# KiCad board debug-toolkit.kicad_pcb
date: 2022-10-28; rev: 1.3.7
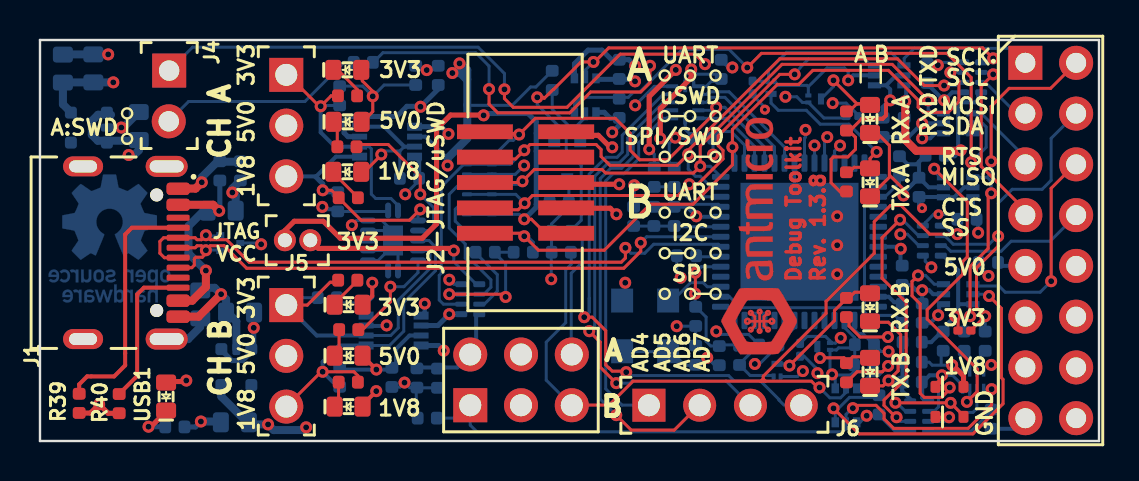
[diagram p0: board, top side]
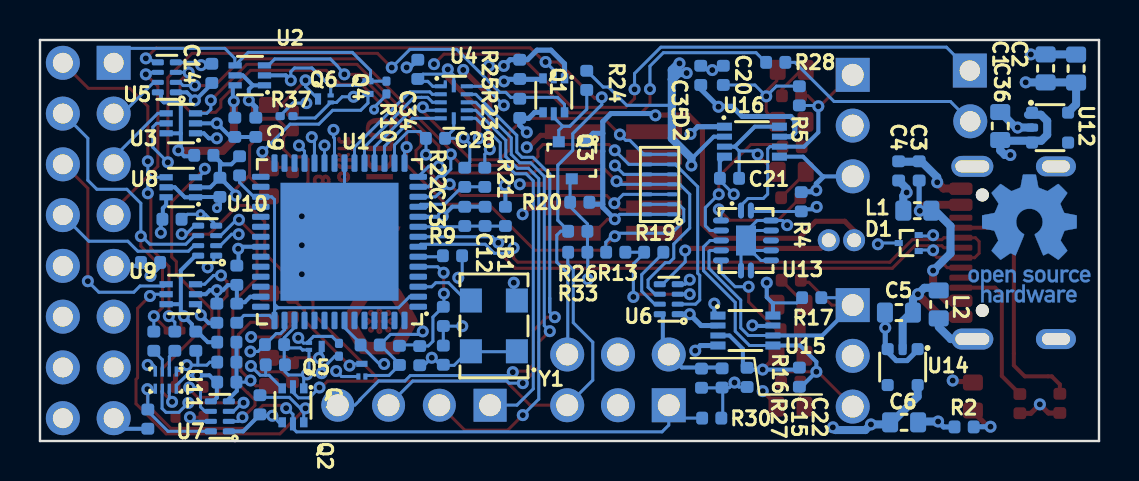
[diagram p1: board, bottom side, seen from below]

Outline 52.96 x 20.07 mm; copper layers: Top, In1.Cu, In2.Cu, Bottom. Coordinates in mm from the lower left corner of the outline.
Outline path: 0,20.07 52.96,20.07 52.96,0 0,0 0,20.07
Stack: Top 0.035mm / dielectric 0.48mm FR4 er 4.5 / In1.Cu 0.035mm / dielectric 0.48mm FR4 er 4.5 / In2.Cu 0.035mm / dielectric 0.48mm FR4 er 4.5 / Bottom 0.035mm

## Placement (name value [footprint] x y rotation side)
1V8_A1  LED_G_0603_LG_L29K-G2J1-24-Z  [LED_0603_1608Metric_G]  15.37 13.47 0 top
1V8_B1  LED_G_0603_LG_L29K-G2J1-24-Z  [LED_0603_1608Metric_G]  15.43 1.72 0 top
3V3_A1  LED_G_0603_LG_L29K-G2J1-24-Z  [LED_0603_1608Metric_G]  15.37 18.57 0 top
3V3_B1  LED_G_0603_LG_L29K-G2J1-24-Z  [LED_0603_1608Metric_G]  15.43 6.82 0 top
5V0_A1  LED_G_0603_LG_L29K-G2J1-24-Z  [LED_0603_1608Metric_G]  15.38 15.97 0 top
5V0_B1  LED_G_0603_LG_L29K-G2J1-24-Z  [LED_0603_1608Metric_G]  15.43 4.27 0 top
C1  C_1u_0603  [C_0603_1608Metric]  2.67 18.64 90 bottom
C2  C_1u_0603  [C_0603_1608Metric]  1.15 18.64 90 bottom
C3  C_10n_0402  [C_0402_1005Metric]  8.99 13.52 90 bottom
C4  C_100n_16V_X7R_0402  [C_0402_1005Metric]  10.02 13.52 90 bottom
C5  C_1u_0603  [C_0603_1608Metric]  10.01 6.43 180 bottom
C6  C_1u_0603  [C_0603_1608Metric]  9.75 0.94 180 bottom
C7  C_100n_16V_X7R_0402  [C_0402_1005Metric]  32.79 4.3 90 bottom
C8  C_100n_16V_X7R_0402  [C_0402_1005Metric]  43.62 2.95 180 bottom
C9  C_100n_16V_X7R_0402  [C_0402_1005Metric]  42.17 15.7 270 bottom
C10  C_100n_16V_X7R_0402  [C_0402_1005Metric]  44.77 14.3 180 bottom
C11  C_4u7_0402  [C_0402_1005Metric]  34.98 4.29 270 bottom
C12  C_100n_16V_X7R_0402  [C_0402_1005Metric]  30.7 11.24 270 bottom
C13  C_100n_16V_X7R_0402  [C_0402_1005Metric]  43.22 15.7 270 bottom
C14  C_100n_16V_X7R_0402  [C_0402_1005Metric]  44.37 18.4 90 bottom
C15  C_100n_16V_X7R_0402  [C_0402_1005Metric]  18.85 3.16 270 bottom
C16  C_100n_16V_X7R_0402  [C_0402_1005Metric]  36.45 4.81 180 bottom
C17  C_100n_16V_X7R_0402  [C_0402_1005Metric]  43.96 12.69 90 bottom
C18  C_100n_16V_X7R_0402  [C_0402_1005Metric]  44.12 6.4 90 bottom
C19  C_100n_16V_X7R_0402  [C_0402_1005Metric]  47.43 8.94 180 bottom
C20  C_100n_16V_X7R_0402  [C_0402_1005Metric]  18.79 18.3 90 bottom
C21  C_100n_16V_X7R_0402  [C_0402_1005Metric]  18.48 13.14 0 bottom
C22  C_100n_16V_X7R_0402  [C_0402_1005Metric]  17.6 3.19 270 bottom
C23  C_4u7_0402  [C_0402_1005Metric]  31.72 11.24 270 bottom
C24  C_100n_16V_X7R_0402  [C_0402_1005Metric]  41.23 4.83 180 bottom
C25  C_100n_16V_X7R_0402  [C_0402_1005Metric]  32.79 6.24 270 bottom
C26  C_100n_16V_X7R_0402  [C_0402_1005Metric]  43.12 8.3 270 bottom
C27  C_4u7_0402  [C_0402_1005Metric]  42.98 13.77 90 bottom
C28  C_100n_16V_X7R_0402  [C_0402_1005Metric]  33.18 15.15 180 bottom
C29  C_100n_16V_X7R_0402  [C_0402_1005Metric]  43.12 6.4 90 bottom
C30  C_100n_16V_X7R_0402  [C_0402_1005Metric]  46.36 11.1 180 bottom
C31  C_100n_16V_X7R_0402  [C_0402_1005Metric]  47.57 1.1 270 bottom
C32  C_100n_16V_X7R_0402  [C_0402_1005Metric]  43.62 4.95 180 bottom
C33  C_4u7_0402  [C_0402_1005Metric]  43.62 3.95 0 bottom
C34  C_100n_16V_X7R_0402  [C_0402_1005Metric]  34.07 18.6 90 bottom
C35  C_100n_16V_X7R_0402  [C_0402_1005Metric]  19.92 18.3 90 bottom
C36  C_1u_0603  [C_0603_1608Metric]  4.94 15.76 90 bottom
D1  TPD2E009_SOT-9X3  [SOT-723]  9.52 9.91 0 bottom
D2  TPD6E05U06RVZR  [USON-14_3.5X1.3X0.5mm_P0.5mm]  21.97 12.84 90 bottom
D3  BAT54-02V-G3-08  [SOD-523]  45.48 2.71 0 top
D4  BAT54-02V-G3-08  [SOD-523]  45.48 1.21 0 top
FB1  FB_600Z_0.3A_Murata-BLM15AG_0402  [FB_0402_1005Metric]  29.69 11.24 270 bottom
FB2  FB_600Z_0.3A_Murata-BLM15AG_0402  [FB_0402_1005Metric]  33.97 4.27 90 bottom
J1  USB-C_GCT_USB4105-GF-A  [USB-C_Receptacle_GCT_USB4105-GF-A]  3.41 9.42 270 top
J1_A1  -  [PinHeader_1x3_P2.54mm_Drill1.1mm]  12.32 18.32 270 top
J1_B1  -  [PinHeader_1x3_P2.54mm_Drill1.1mm]  12.32 6.8 270 top
J2  -  [PinHeader_2x5_P1.27mm_SMD_Shrouded]  24.26 12.94 90 top
J3  -  [PinHeader_2x8_P2.54mm_Drill1mm]  49.28 18.92 0 top
J4  -  [PinHeader_1x2_P2.54mm_Drill1.02mm]  6.46 18.54 270 top
J5  -  [PinHeader_1x2_P1.27mm_Drill0.7mm]  13.52 10.05 180 top
J6  -  [PinHeader_1x4_P2.54mm_Drill1.1mm]  30.45 1.79 0 top
J7  -  [PinHeader_2x3_P2.54mm_Drill1.1mm]  21.52 1.79 90 top
L1  FB_120Z_2A_Murata-BLM18PG_0603  [FB_0603_1608Metric]  9.09 11.53 180 bottom
L2  FB_120Z_2A_Murata-BLM18PG_0603  [FB_0603_1608Metric]  8.02 6.84 90 bottom
N1  antmicro_logo  [antmicro-logo_scaled_12mm]  35.99 10.22 90 top
N2  oshw_logo  [oshw-logo]  3.48 10.14 180 bottom
Q1  NX3008CBKV  [SOT-666]  27.27 17.3 270 bottom
Q2  NX3008CBKV  [SOT-666]  40.31 1.79 270 bottom
Q3  BC807-25W  [SOT-323]  26.37 14.05 270 bottom
Q4  SSM3K15ACT  [CST3-3]  36.56 17.69 270 bottom
Q5  SSM3K15ACT  [CST3-3]  39.19 4.74 180 bottom
Q6  SSM3K15ACT  [CST3-3]  38.74 17.12 0 bottom
Q7  SSM3K15ACT  [CST3-3]  36.86 3.55 90 bottom
R1  R_220R_0402  [R_0402_1005Metric]  15.38 17.27 180 top
R2  R_470R_0402  [R_0402_1005Metric]  6.75 0.71 180 bottom
R3  R_220R_0402  [R_0402_1005Metric]  15.42 12.17 180 top
R4  R_10k_0402  [R_0402_1005Metric]  14.89 11.97 270 bottom
R5  R_10k_0402  [R_0402_1005Metric]  14.99 17.27 90 bottom
R6  R_220R_0402  [R_0402_1005Metric]  15.35 14.72 0 top
R7  R_220R_0402  [R_0402_1005Metric]  15.39 8.05 180 top
R8  R_220R_0402  [R_0402_1005Metric]  15.42 2.95 0 top
R9  R_12k_0402  [R_0402_1005Metric]  32.33 9.27 180 bottom
R10  R_100k_0201  [R_0201]  35.63 17.69 270 bottom
R11  R_220R_0402  [R_0402_1005Metric]  40.33 12.97 270 top
R12  R_220R_0402  [R_0402_1005Metric]  40.33 16.02 270 top
R13  R_220R_0402  [R_0402_1005Metric]  24.17 9.45 180 bottom
R14  R_220R_0402  [R_0402_1005Metric]  40.33 3.42 270 top
R15  R_220R_0402  [R_0402_1005Metric]  40.33 6.68 270 top
R16  R_10k_0402  [R_0402_1005Metric]  14.99 3.2 90 bottom
R17  R_10k_0402  [R_0402_1005Metric]  14.37 7.17 0 bottom
R18  R_220R_0402  [R_0402_1005Metric]  15.44 5.57 0 top
R19  R_510R_0402  [R_0402_1005Metric]  22.27 9.45 0 bottom
R20  R_1k_0402  [R_0402_1005Metric]  25.97 11.95 180 bottom
R21  R_4k7_0402  [R_0402_1005Metric]  30.72 13.2 90 bottom
R22  R_10k_0402  [R_0402_1005Metric]  31.72 13.2 270 bottom
R23  R_56k_0402  [R_0402_1005Metric]  28.97 16.65 270 bottom
R24  R_1k_0402  [R_0402_1005Metric]  25.62 18.05 90 bottom
R25  R_10k_0402  [R_0402_1005Metric]  28.97 18.6 270 bottom
R26  R_10k_0402  [R_0402_1005Metric]  26.07 10.5 0 bottom
R27  R_10k_0402  [R_0402_1005Metric]  19.88 3.15 90 bottom
R28  R_510R_0402  [R_0402_1005Metric]  16.17 18.95 180 bottom
R29  R_56k_0402  [R_0402_1005Metric]  41.96 1.81 270 bottom
R30  R_10k_0402  [R_0402_1005Metric]  19.37 1.15 0 bottom
R31  R_100k_0201  [R_0201]  38.01 4.57 270 bottom
R32  R_10k_0402  [R_0402_1005Metric]  41.19 3.82 0 bottom
R33  R_10k_0402  [R_0402_1005Metric]  26.07 9.45 0 bottom
R34  R_220R_0402  [R_0402_1005Metric]  45.17 5 90 bottom
R35  R_220R_0402  [R_0402_1005Metric]  46.22 5 90 bottom
R36  R_220R_0402  [R_0402_1005Metric]  47.27 5 90 bottom
R37  R_100k_0201  [R_0201]  40.63 16.26 0 bottom
R38  R_100k_0201  [R_0201]  46.23 5.53 180 top
R39  R_5k1_0402  [R_0402_1005Metric]  1.96 1.89 270 top
R40  R_5k1_0402  [R_0402_1005Metric]  3.96 1.87 270 top
RX_A1  LED_G_0603_LG_L29K-G2J1-24-Z  [LED_0603_1608Metric_G]  41.51 16.12 90 top
RX_B1  LED_G_0603_LG_L29K-G2J1-24-Z  [LED_0603_1608Metric_G]  41.51 6.69 90 top
TX_A1  LED_G_0603_LG_L29K-G2J1-24-Z  [LED_0603_1608Metric_G]  41.51 12.94 90 top
TX_B1  LED_G_0603_LG_L29K-G2J1-24-Z  [LED_0603_1608Metric_G]  41.51 3.46 90 top
U1  FT4232H_VQFN  [QFN-56-1EP_8x8mm_P0.5mm]  37.98 9.97 0 bottom
U2  SN74LVC1T45_SOT-5X3  [SOT-553-6]  42.47 18.3 0 bottom
U3  SN74LVC1T45_SOT-5X3  [SOT-553-6]  45.92 15.9 0 bottom
U4  TXB0104_UQFN  [UQFN-12_2x1.7mm_P0.4mm_Texas_RUT]  32.27 16.95 180 bottom
U5  74LVC2T45_SOT833  [XSON-8_1x1.95mm_P0.5mm]  46.62 18.2 0 bottom
U6  74LVC2T45_SOT833  [XSON-8_1x1.95mm_P0.5mm]  21.52 7.1 0 bottom
U7  74LVC2T45_SOT833  [XSON-8_1x1.95mm_P0.5mm]  43.97 1.24 0 bottom
U8  SN74LVC1T45_SOT-5X3  [SOT-553-6]  45.92 12.7 0 bottom
U9  SN74LVC1T45_SOT-5X3  [SOT-553-6]  45.92 7.35 0 bottom
U10  74LVC2T45_SOT833  [XSON-8_1x1.95mm_P0.5mm]  44.6 10.03 0 bottom
U11  NTS0302JKZ  [X2SON8_1.4x1x0.32mm_P0.35mm]  46.67 3.05 270 bottom
U12  TLV70033_SC70  [SC-70-5]  2.45 15.67 270 bottom
U13  74HC00_DHVQFN  [DHVQFN-14-1EP_2.5x3mm]  17.65 10.03 180 bottom
U14  TLV70018_SC70  [SC-70-5]  9.83 3.71 0 bottom
U15  TS5A3359_VSSOP  [VSSOP-8_2.3x2mm_P0.5mm]  17.68 5.54 180 bottom
U16  TS5A3359_VSSOP  [VSSOP-8_2.3x2mm_P0.5mm]  17.36 14.99 180 bottom
USB1  LED_G_0603_LG_L29K-G2J1-24-Z  [LED_0603_1608Metric_G]  6.31 2.23 90 top
Y1  Oscillator_12MHz_ASFLMB  [Oscillator_SMD_Abracon_ASFLMB_5x3.2x0.85mm]  30.16 5.66 0 bottom

## Library data of the parts
1V8_A1 3V3_A1 3V3_B1 = -: Description: LED, Green, SMD, 0603, 20 mA, 1.7 V, 570 nm; Author: Antmicro; Color: Green; License: Apache-2.0; MPN: LG L29K-G2J1-24-Z; Manufacturer: OSRAM; Public: False; Field10: License: Apache-2.0; Field11: Author: Antmicro
1V8_B1 TX_A1 = -: Description: LED, Green, SMD, 0603, 20 mA, 1.7 V, 570 nm; Author: Antmicro; Color: Green; License: Apache-2.0; MPN: LG L29K-G2J1-24-Z; Manufacturer: OSRAM; Public: False; Field10: License: Apache-2.0; Field12: Author: Antmicro
5V0_A1 RX_B1 = -: Description: LED, Green, SMD, 0603, 20 mA, 1.7 V, 570 nm; Author: Antmicro; Color: Green; License: Apache-2.0; MPN: LG L29K-G2J1-24-Z; Manufacturer: OSRAM; Public: False; Field11: License: Apache-2.0; Field12: Author: Antmicro
5V0_B1 = -: Description: LED, Green, SMD, 0603, 20 mA, 1.7 V, 570 nm; Author: Antmicro; Color: Green; License: Apache-2.0; MPN: LG L29K-G2J1-24-Z; Manufacturer: OSRAM; Public: False; Field11: Author: Antmicro; Field12: License: Apache-2.0
C1 = -: Description: SMD Multilayer Ceramic Capacitor, 1 µF, 16 V, 0603 [1608 Metric], ± 10%, X5R, AVX 0603 MLCC; Author: Antmicro; License: Apache-2.0; MPN: 0603YD105KAT2A; Manufacturer: KYOCERA AVX; Public: False; Val: 1u; Field12: License: Apache-2.0; Field13: Author: Antmicro
C2 = -: Description: SMD Multilayer Ceramic Capacitor, 1 µF, 16 V, 0603 [1608 Metric], ± 10%, X5R, AVX 0603 MLCC; Author: Antmicro; License: Apache-2.0; MPN: 0603YD105KAT2A; Manufacturer: KYOCERA AVX; Public: False; Val: 1u; Field12: Author: Antmicro; Field14: License: Apache-2.0
C3 = -: Description: SMD Multilayer Ceramic Capacitor, 10000 pF, 50 V, 0402 [1005 Metric], ± 10%, X7R, GRM Series; Author: Antmicro; Dielectric: X7R; License: Apache-2.0; MPN: GRM155R71H103KA88D; Manufacturer: Murata; Public: False; Val: 10n; Voltage: 50V; Field13: License: Apache-2.0; Field14: Author: Antmicro
C4 C9 = -: Description: SMD Multilayer Ceramic Capacitor, 100nF, 50V, 0603, ±5%, X7R; Author: Antmicro; Dielectric: X7R; License: Apache-2.0; MPN: C0402C104J4RAC7411; Manufacturer: KEMET; Val: 100n; Voltage: 16V; Field12: Author: Antmicro; Field13: License: Apache-2.0
C5 = -: Description: SMD Multilayer Ceramic Capacitor, 1 µF, 16 V, 0603 [1608 Metric], ± 10%, X5R, AVX 0603 MLCC; Author: Antmicro; License: Apache-2.0; MPN: 0603YD105KAT2A; Manufacturer: KYOCERA AVX; Public: False; Val: 1u; Field12: License: Apache-2.0; Field14: Author: Antmicro
C6 = -: Description: SMD Multilayer Ceramic Capacitor, 1 µF, 16 V, 0603 [1608 Metric], ± 10%, X5R, AVX 0603 MLCC; Author: Antmicro; License: Apache-2.0; MPN: 0603YD105KAT2A; Manufacturer: KYOCERA AVX; Public: False; Val: 1u; Field12: Author: Antmicro; Field13: License: Apache-2.0
C7 C16 C22 C25 C29 = -: Description: SMD Multilayer Ceramic Capacitor, 100nF, 50V, 0603, ±5%, X7R; Author: Antmicro; Dielectric: X7R; License: Apache-2.0; MPN: C0402C104J4RAC7411; Manufacturer: KEMET; Val: 100n; Voltage: 16V; Field12: License: Apache-2.0; Field13: Author: Antmicro
C8 C13 C18 C19 C21 C30 = -: Description: SMD Multilayer Ceramic Capacitor, 100nF, 50V, 0603, ±5%, X7R; Author: Antmicro; Dielectric: X7R; License: Apache-2.0; MPN: C0402C104J4RAC7411; Manufacturer: KEMET; Val: 100n; Voltage: 16V; Field11: Author: Antmicro; Field12: License: Apache-2.0
C10 C14 C15 C17 C20 C28 C32 C34 = -: Description: SMD Multilayer Ceramic Capacitor, 100nF, 50V, 0603, ±5%, X7R; Author: Antmicro; Dielectric: X7R; License: Apache-2.0; MPN: C0402C104J4RAC7411; Manufacturer: KEMET; Val: 100n; Voltage: 16V; Field11: License: Apache-2.0; Field12: Author: Antmicro
C11 C33 = -: Description: SMD Multilayer Ceramic Capacitor, 4.7 µF, 10 V, 0402 [1005 Metric], ± 20%, X5R, GRM Series; Author: Antmicro; License: Apache-2.0; MPN: GRM155R61A475MEAAD; Manufacturer: Murata; Public: False; Val: 4u7; Field12: Author: Antmicro; Field13: License: Apache-2.0
C12 C26 C31 C35 = -: Description: SMD Multilayer Ceramic Capacitor, 100nF, 50V, 0603, ±5%, X7R; Author: Antmicro; Dielectric: X7R; License: Apache-2.0; MPN: C0402C104J4RAC7411; Manufacturer: KEMET; Val: 100n; Voltage: 16V; Field11: License: Apache-2.0; Field13: Author: Antmicro
C23 = -: Description: SMD Multilayer Ceramic Capacitor, 4.7 µF, 10 V, 0402 [1005 Metric], ± 20%, X5R, GRM Series; Author: Antmicro; License: Apache-2.0; MPN: GRM155R61A475MEAAD; Manufacturer: Murata; Public: False; Val: 4u7; Field13: Author: Antmicro; Field14: License: Apache-2.0
C24 = -: Description: SMD Multilayer Ceramic Capacitor, 100nF, 50V, 0603, ±5%, X7R; Author: Antmicro; Dielectric: X7R; License: Apache-2.0; MPN: C0402C104J4RAC7411; Manufacturer: KEMET; Val: 100n; Voltage: 16V; Field11: Author: Antmicro; Field13: License: Apache-2.0
C27 = -: Description: SMD Multilayer Ceramic Capacitor, 4.7 µF, 10 V, 0402 [1005 Metric], ± 20%, X5R, GRM Series; Author: Antmicro; License: Apache-2.0; MPN: GRM155R61A475MEAAD; Manufacturer: Murata; Public: False; Val: 4u7; Field12: Author: Antmicro; Field14: License: Apache-2.0
C36 = -: Description: SMD Multilayer Ceramic Capacitor, 1 µF, 16 V, 0603 [1608 Metric], ± 10%, X5R, AVX 0603 MLCC; Author: Antmicro; License: Apache-2.0; MPN: 0603YD105KAT2A; Manufacturer: KYOCERA AVX; Public: False; Val: 1u; Field13: License: Apache-2.0; Field14: Author: Antmicro
D1 = -: Description: TVS diode array, 8 kV, SOT-723, 5.5 V, 0.9 pF; Author: Antmicro; License: Apache-2.0; MPN: TPD2E009DRTR; Manufacturer: Texas Instruments; Field9: License: Apache-2.0; Field10: Author: Antmicro
D2 = -: Description: TVS diode array, 12 kV, USON-14, 5.5 V, 0.47 pF; Author: Antmicro; License: Apache-2.0; Manufacturer: Texas Instruments; Field8: Author: Antmicro; Field9: License: Apache-2.0
D3 D4 = -: Description: Small Signal Schottky Diode, Single, 30 V, 200 mA, 800 mV, 600 mA, 125 °C; Author: Antmicro; License: Apache-2.0; Manufacturer: Vishay; Public: False; Field9: License: Apache-2.0; Field10: Author: Antmicro
FB1 = -: Description: Ferrite Bead, 0402 [1005 Metric], 600 ohm, 300 mA, BLM15AG_SN, 0.6 ohm, ± 25%, General use; Author: Antmicro; License: Apache-2.0; MPN: BLM15AG601SN1D; Manufacturer: Murata; Public: False; Val: 600Z/0.3A; Field11: License: Apache-2.0; Field13: Author: Antmicro
FB2 = -: Description: Ferrite Bead, 0402 [1005 Metric], 600 ohm, 300 mA, BLM15AG_SN, 0.6 ohm, ± 25%, General use; Author: Antmicro; License: Apache-2.0; MPN: BLM15AG601SN1D; Manufacturer: Murata; Public: False; Val: 600Z/0.3A; Field11: Author: Antmicro; Field13: License: Apache-2.0
J1 = -: Description: USB-C (USB TYPE-C) USB 2.0 Receptacle Connector 24 (16+8 Dummy) Position Surface Mount, Right Angle; Author: Antmicro; License: Apache-2.0; MPN: USB4105-GF-A; Manufacturer: GCT; VSD_Class: USB-C; Field9: License: Apache-2.0; Field10: Author: Antmicro; Field11: PCB-EDGE
J1_A1 = -: Description: Pin Header, Vertical, Board-to-Board, 2.54 mm, 1 Rows, 3 Contacts, Through Hole Straight, WR-PHD; Author: Antmicro; License: Apache-2.0; MPN: 61300311121; Manufacturer: Würth Elektronik; VSD_class: IO Header; Field10: Author: Antmicro; Field11: License: Apache-2.0
J1_B1 = -: Description: Pin Header, Vertical, Board-to-Board, 2.54 mm, 1 Rows, 3 Contacts, Through Hole Straight, WR-PHD; Author: Antmicro; License: Apache-2.0; MPN: 61300311121; Manufacturer: Würth Elektronik; VSD_class: IO Header; Field9: Author: Antmicro; Field11: License: Apache-2.0
J2 = -: Description: Headers & Wire Housings Shrouded Terminal Strip, 0.050" pitch; Author: Antmicro; License: Apache-2.0; MPN: SHF-105-01-L-D-SM; Manufacturer: Samtec; Field9: Author: Antmicro; Field10: License: Apache-2.0
J3 = -: Description: Rectangular connector (header, female pins); Author: Antmicro; License: Apache-2.0; MPN: 61300821121; Manufacturer: Würth Elektronik; Field8: Author: Antmicro; Field9: License: Apache-2.0
J4 = -: Description: Pin Header, Signal, Wire-to-Board, 2.54 mm, 1 Rows, 2 Contacts, Through Hole Straight, KK 254 6373; Author: Antmicro; License: Apache-2.0; MPN: M20-9990246; Manufacturer: Molex; Field9: License: Apache-2.0; Field10: Author: Antmicro
J5 = -: Description: Rectangular connector (header, female pins); Author: Antmicro; License: Apache-2.0; MPN: MC-HVT1-S02-G; Manufacturer: Multicomp Pro; Field9: License: Apache-2.0; Field10: Author: Antmicro
J6 = -: Description: Pin Header, Vertical, Board-to-Board, 2.54 mm, 1 Rows, 4 Contacts, Through Hole Straight, WR-PHD; Author: Antmicro; License: Apache-2.0; MPN: 61300411121; Manufacturer: Würth Elektronik; Field8: License: Apache-2.0; Field9: Author: Antmicro
J7 = -: Description: Rectangular connector, header; Author: Antmicro; License: Apache-2.0; MPN: 61300621121; Manufacturer: Würth Elektronik; Field9: License: Apache-2.0; Field10: Author: Antmicro
L1 = -: Description: Ferrite Bead, 0603 [1608 Metric], 120 ohm, 2 A, BLM18P, 0.05 ohm, ± 25%, DC power line; Author: Antmicro; License: Apache-2.0; MPN: BLM18PG121SN1D; Manufacturer: Murata; Public: False; Val: 120Z/2A; Field12: Author: Antmicro; Field13: License: Apache-2.0
L2 = -: Description: Ferrite Bead, 0603 [1608 Metric], 120 ohm, 2 A, BLM18P, 0.05 ohm, ± 25%, DC power line; Author: Antmicro; License: Apache-2.0; MPN: BLM18PG121SN1D; Manufacturer: Murata; Public: False; Val: 120Z/2A; Field11: Author: Antmicro; Field13: License: Apache-2.0
N1 = -: Description: Mechanical part; Author: Antmicro; License: Apache-2.0; Public: False; Field10: Author: Antmicro; Field12: License: Apache-2.0
N2 = -: Description: Mechanical part; Author: Antmicro; License: Apache-2.0; Public: False; Field11: License: Apache-2.0; Field12: Author: Antmicro
Q1 = -: Description: Dual MOSFET, Complementary N and P Channel, 30 V, 30 V, 400 mA, 400 mA, 1 ohm; Author: Antmicro; License: Apache-2.0; Manufacturer: Nexperia; Field9: Author: Antmicro; Field10: License: Apache-2.0
Q2 = -: Description: Dual MOSFET, Complementary N and P Channel, 30 V, 30 V, 400 mA, 400 mA, 1 ohm; Author: Antmicro; License: Apache-2.0; Manufacturer: Nexperia; Field9: License: Apache-2.0; Field10: Author: Antmicro
Q3 = -: Description: Bipolar (BJT) Single Transistor, PNP, 45 V, 500 mA, 460 mW, SC-70, Surface Mount; Author: Antmicro; License: Apache-2.0; MPN: SBC807-40WT1G; Manufacturer: ON Semiconductor; Field8: License: Apache-2.0; Field10: Author: Antmicro
Q4 = -: Description: FET/MOSFET transistor; Author: Antmicro; License: Apache-2.0; MPN: SSM3K15ACT,L3F; Manufacturer: Toshiba; Field8: Author: Antmicro; Field9: License: Apache-2.0
Q5 = -: Description: FET/MOSFET transistor; Author: Antmicro; License: Apache-2.0; MPN: SSM3K15ACT,L3F; Manufacturer: Toshiba; Field9: License: Apache-2.0; Field10: Author: Antmicro
Q6 = -: Description: FET/MOSFET transistor; Author: Antmicro; License: Apache-2.0; MPN: SSM3K15ACT,L3F; Manufacturer: Toshiba; Field8: License: Apache-2.0; Field10: Author: Antmicro
Q7 = -: Description: FET/MOSFET transistor; Author: Antmicro; License: Apache-2.0; MPN: SSM3K15ACT,L3F; Manufacturer: Toshiba; Field8: Author: Antmicro; Field10: License: Apache-2.0
R1 R11 = -: Description: SMD Chip Resistor, 220 ohm, ± 1%, 62.5 mW, 0402 [1005 Metric], Thick Film, General Purpose; Author: Antmicro; License: Apache-2.0; MPN: CR0402-FX-2200GLF; Manufacturer: Bourns; Public: False; Tolerance: 1%; Val: 220R; Field11: License: Apache-2.0; Field13: Author: Antmicro
R2 = -: Description: SMD Chip Resistor, 470 ohm, ± 1%, 62.5 mW, 0402 [1005 Metric], Thick Film, General Purpose; Author: Antmicro; License: Apache-2.0; MPN: CR0402-FX-4700GLF; Manufacturer: Bourns; Public: False; Tolerance: 1%; Val: 470R; Field12: License: Apache-2.0; Field13: Author: Antmicro
R3 R12 R35 = -: Description: SMD Chip Resistor, 220 ohm, ± 1%, 62.5 mW, 0402 [1005 Metric], Thick Film, General Purpose; Author: Antmicro; License: Apache-2.0; MPN: CR0402-FX-2200GLF; Manufacturer: Bourns; Public: False; Tolerance: 1%; Val: 220R; Field11: Author: Antmicro; Field12: License: Apache-2.0
R4 R16 R22 = -: Description: SMD Chip Resistor, 10 kohm, ± 1%, 62.5 mW, 0402 [1005 Metric], Thick Film, General Purpose; Author: Antmicro; License: Apache-2.0; MPN: CR0402-FX-1002GLF; Manufacturer: Bourns; Public: False; Tolerance: 1%; Val: 10k; Field11: License: Apache-2.0; Field12: Author: Antmicro
R5 = -: Description: SMD Chip Resistor, 10 kohm, ± 1%, 62.5 mW, 0402 [1005 Metric], Thick Film, General Purpose; Author: Antmicro; License: Apache-2.0; MPN: CR0402-FX-1002GLF; Manufacturer: Bourns; Public: False; Tolerance: 1%; Val: 10k; Field11: Author: Antmicro; Field12: License: Apache-2.0
R6 R7 R36 = -: Description: SMD Chip Resistor, 220 ohm, ± 1%, 62.5 mW, 0402 [1005 Metric], Thick Film, General Purpose; Author: Antmicro; License: Apache-2.0; MPN: CR0402-FX-2200GLF; Manufacturer: Bourns; Public: False; Tolerance: 1%; Val: 220R; Field12: Author: Antmicro; Field13: License: Apache-2.0
R8 R13 R15 R34 = -: Description: SMD Chip Resistor, 220 ohm, ± 1%, 62.5 mW, 0402 [1005 Metric], Thick Film, General Purpose; Author: Antmicro; License: Apache-2.0; MPN: CR0402-FX-2200GLF; Manufacturer: Bourns; Public: False; Tolerance: 1%; Val: 220R; Field11: License: Apache-2.0; Field12: Author: Antmicro
R9 = -: Description: SMD Chip Resistor, 12 kohm, ± 1%, 62.5 mW, 0402 [1005 Metric], Thick Film, General Purpose; Author: Antmicro; License: Apache-2.0; MPN: CR0402-FX-1202GLF; Manufacturer: Bourns; Public: False; Tolerance: 1%; Val: 12k; Field11: Author: Antmicro; Field13: License: Apache-2.0
R10 R31 R38 = -: Description: SMD Chip Resistor; Author: Antmicro; License: Apache-2.0; MPN: CR0201-FX-1003GLF; Manufacturer: Bourns; Public: False; Tolerance: 1%; Val: 100k; Field11: Author: Antmicro; Field13: License: Apache-2.0
R14 R18 = -: Description: SMD Chip Resistor, 220 ohm, ± 1%, 62.5 mW, 0402 [1005 Metric], Thick Film, General Purpose; Author: Antmicro; License: Apache-2.0; MPN: CR0402-FX-2200GLF; Manufacturer: Bourns; Public: False; Tolerance: 1%; Val: 220R; Field12: License: Apache-2.0; Field13: Author: Antmicro
R17 R26 = -: Description: SMD Chip Resistor, 10 kohm, ± 1%, 62.5 mW, 0402 [1005 Metric], Thick Film, General Purpose; Author: Antmicro; License: Apache-2.0; MPN: CR0402-FX-1002GLF; Manufacturer: Bourns; Public: False; Tolerance: 1%; Val: 10k; Field12: Author: Antmicro; Field13: License: Apache-2.0
R19 = -: Description: SMD Chip Resistor, 510 ohm, ± 1%, 63 mW, 0402 [1005 Metric], Thick Film, General Purpose; Author: Antmicro; License: Apache-2.0; MPN: CR0402-FX-5100GLF; Manufacturer: Bourns; Public: False; Tolerance: 1%; Val: 510R; Field11: Author: Antmicro; Field12: License: Apache-2.0
R20 = -: Description: SMD Chip Resistor, 1 kohm, ± 1%, 63 mW, 0402 [1005 Metric], Thick Film, General Purpose; Author: Antmicro; License: Apache-2.0; MPN: CR0402-FX-1001GLF; Manufacturer: Bourns; Public: False; Tolerance: 1%; Val: 1k; Field11: License: Apache-2.0; Field13: Author: Antmicro
R21 = -: Description: SMD Chip Resistor, 4.7 kohm, ± 1%, 62.5 mW, 0402 [1005 Metric], Thick Film, General Purpose; Author: Antmicro; License: Apache-2.0; MPN: CR0402-FX-4701GLF; Manufacturer: Bourns; Public: False; Tolerance: 1%; Val: 4k7; Field11: Author: Antmicro; Field13: License: Apache-2.0
R23 = -: Description: SMD Chip Resistor, 56 kohm, ± 1%, 62.5 mW, 0402 [1005 Metric], Thick Film, General Purpose; Author: Antmicro; License: Apache-2.0; MPN: CR0402-FX-5602GLF; Manufacturer: Bourns; Public: False; Tolerance: 1%; Val: 56k; Field11: License: Apache-2.0; Field13: Author: Antmicro